# KiCad board 2000ATX.kicad_pcb (continued)
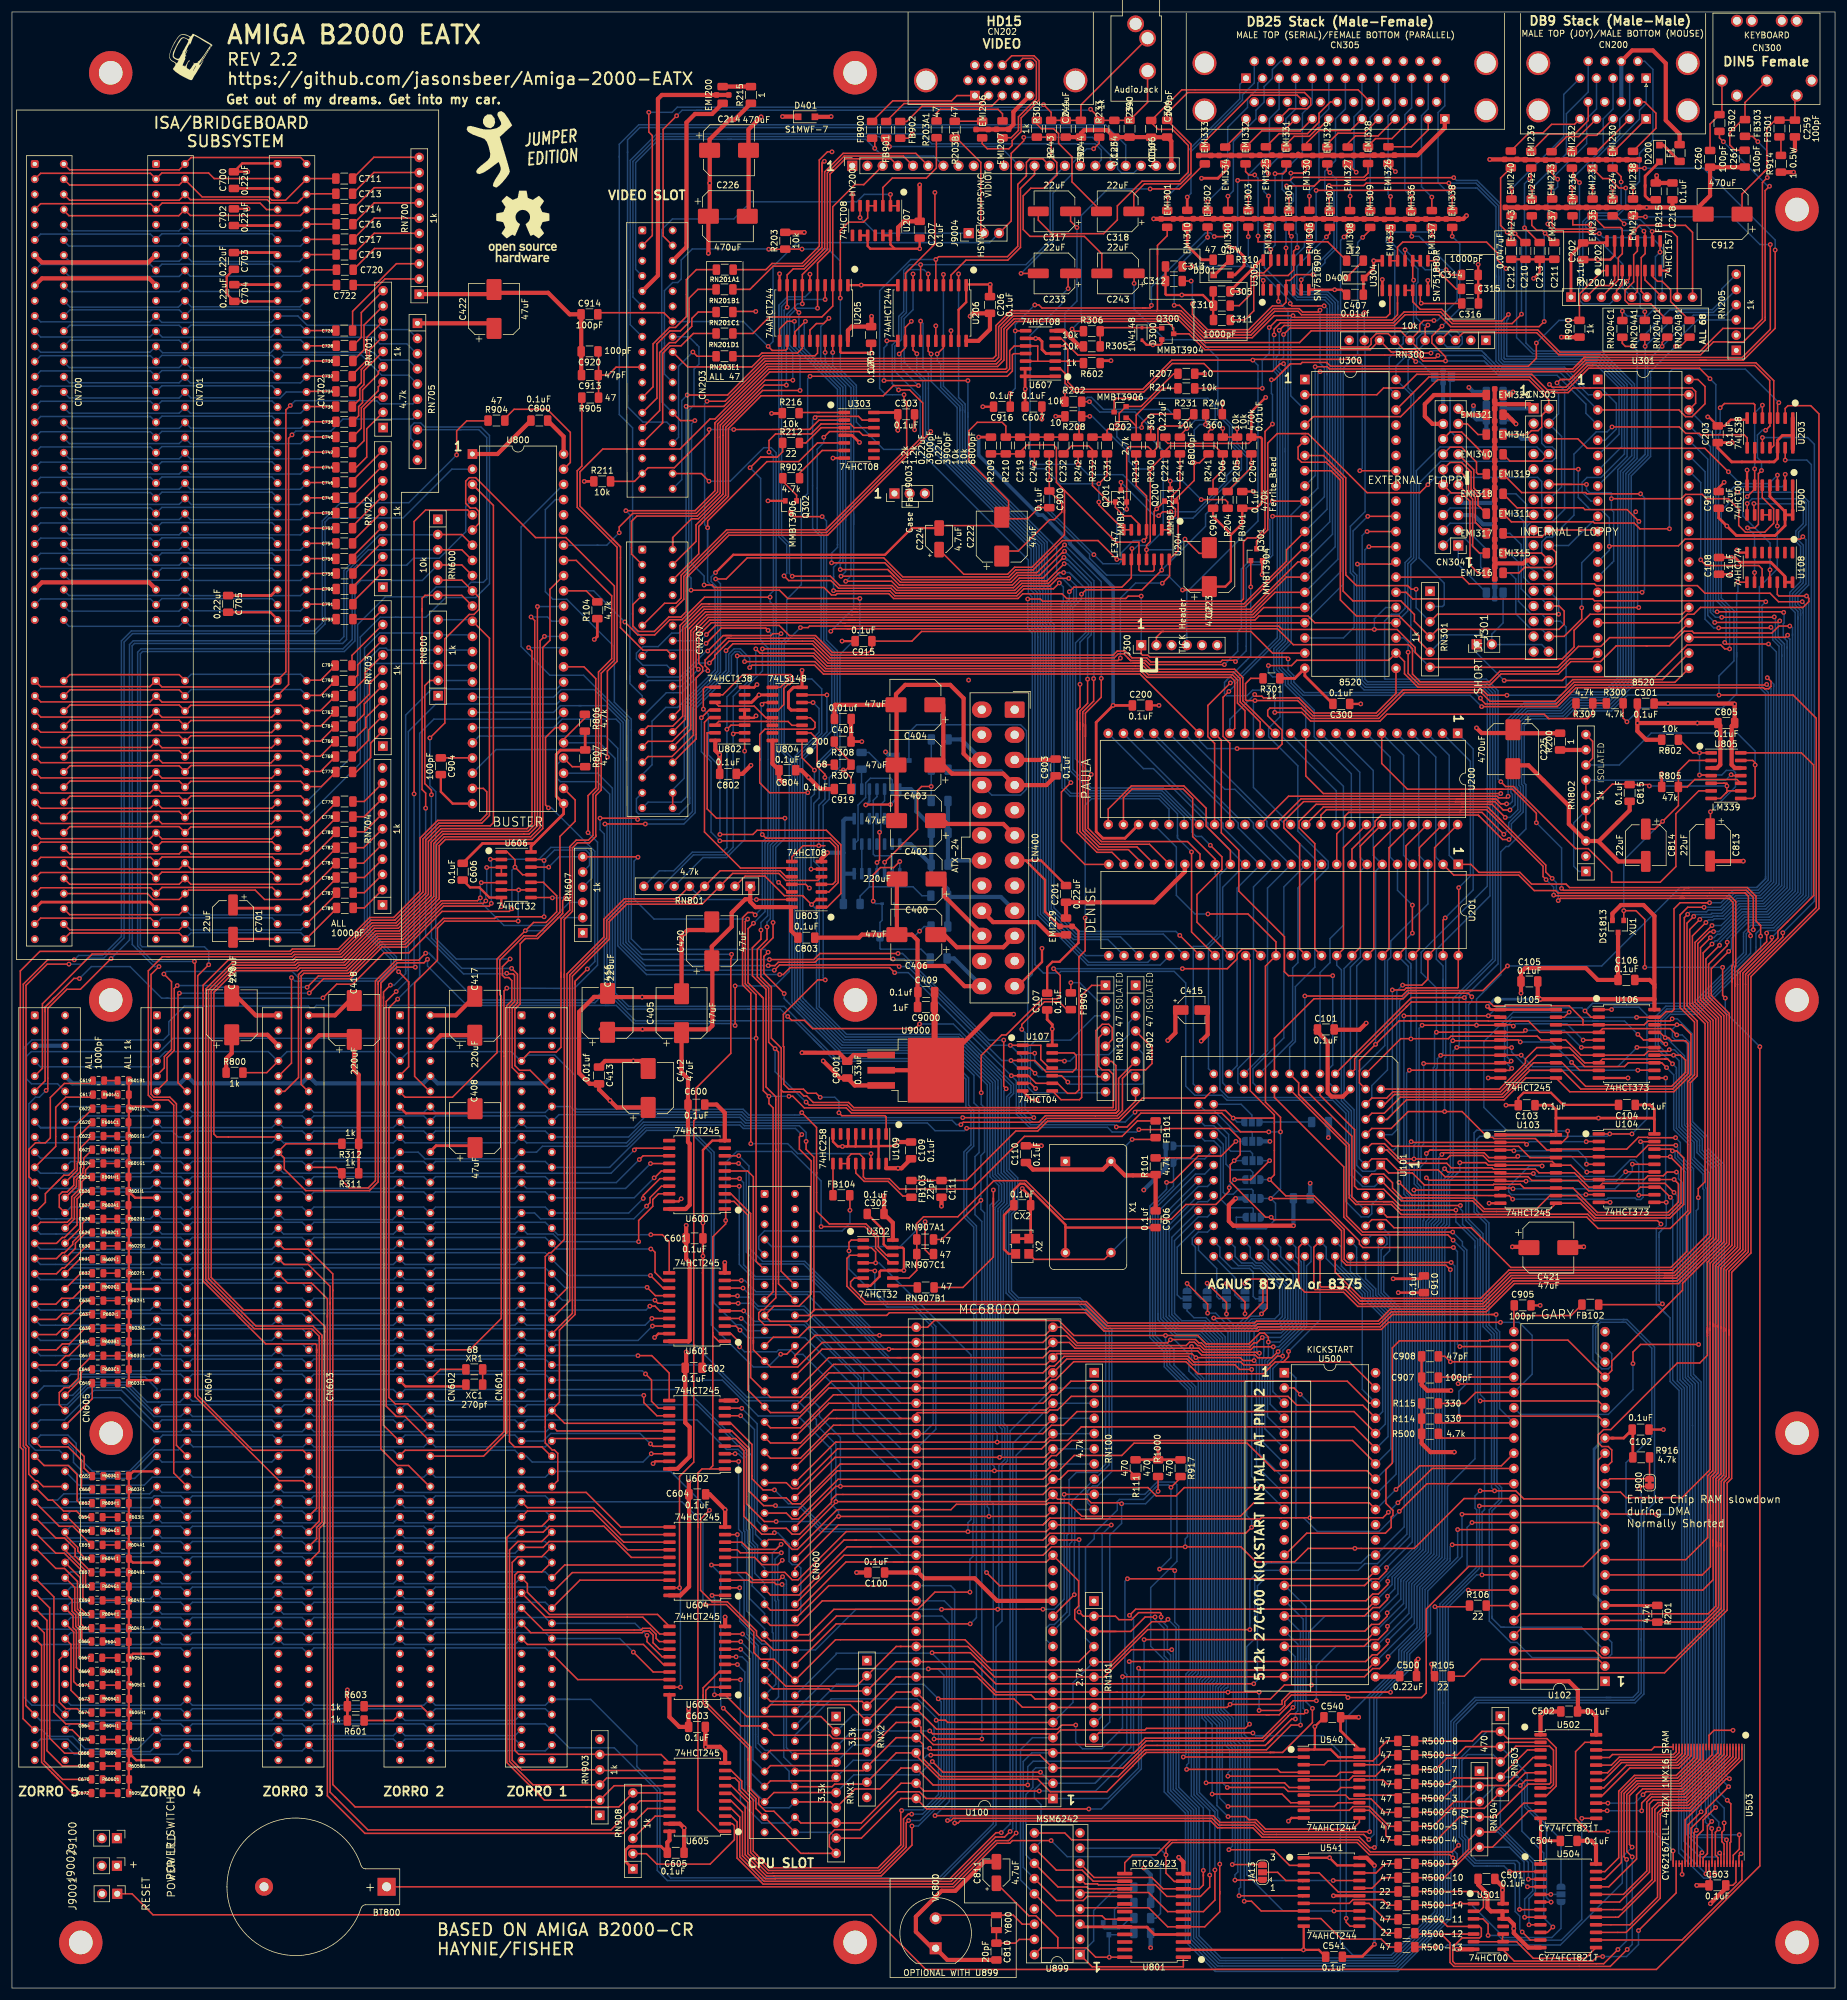
[diagram p0: board, top side]
## Routing (per net, layer and track width the routed paths; a pad name or vN(x,y) marks a point on that pad's centre or on a via; arc(x,y) is an arc through that point) (continued)
BA6: length 136.9
  Top w0.25: v1(106.76,137.77) 109.85,137.77 U600.14 ; CN605.23 2.83,135.57 2.83,140.15 3.92,141.23 5.6,141.23 6.41,142.05 6.41,148.81 8.76,151.15 13.05,151.15 C619.2
  Bottom w0.25: v1(106.76,137.77) 102.6,133.61 86.04,133.61 85.06,134.59 84.08,133.61 65.72,133.61 64.74,134.59 63.76,133.61 45.4,133.61 44.42,134.59 43.44,133.61 25.08,133.61 24.1,134.59 23.12,133.61 4.76,133.61 3.78,134.59
BA7: length 123
  Top w0.25: CN605.28 7.91,130.49 7.91,132.53 8.42,133.03 9.23,133.03 10.33,134.13 10.33,135.31 11.39,136.37 11.39,137.05 11.55,137.21 11.55,140.49 C623.2 ; U600.16 108.33,135.26 105.54,132.47 v1(105.54,131.95)
  Bottom w0.25: 8.86,129.51 9.84,130.49 28.2,130.49 29.18,129.51 30.16,130.49 48.52,130.49 49.5,129.51 50.48,130.49 68.84,130.49 69.82,129.51 70.8,130.49 89.16,130.49 90.14,129.51 103.11,129.51 v1(105.54,131.95)
BA8: length 121.7
  Top w0.25: v1(106.81,125.88) 108.74,125.88 109.88,124.74 U601.11 ; C625.2 12.45,135.51 11.68,134.75 11.68,133.29 10.43,132.03 10.43,128.51 CN605.30
  Bottom w0.25: v1(106.81,125.88) 91.24,125.88 89.16,127.95 70.8,127.95 69.82,126.97 68.84,127.95 50.48,127.95 49.5,126.97 48.52,127.95 30.16,127.95 29.18,126.97 28.2,127.95 9.84,127.95 8.86,126.97 ; 9.12,126.75 CN605.30
BA9: length 117.8
  Top w0.25: v1(106.81,123.49) 106.96,123.49 107.52,122.94 107.52,119.57 108.85,118.24 U601.12 ; CN605.32 11.33,126.87 11.33,130.01 12.13,130.81 C627.2
  Bottom w0.25: v1(106.81,123.49) 91.08,123.49 89.16,125.41 70.8,125.41 69.82,124.43 68.84,125.41 50.48,125.41 49.5,124.43 48.52,125.41 30.16,125.41 29.18,124.43 28.2,125.41 9.84,125.41 8.86,124.43 ; 8.92,124.46 CN605.32
BA10: length 113.5
  Top w0.25: v1(106.75,119.07) 108.85,116.97 U601.13 ; CN605.34 10.6,123.61 10.6,124.46 12.38,126.24 C629.2
  Bottom w0.25: v1(106.75,119.07) 92.97,119.07 89.16,122.87 70.8,122.87 69.82,121.89 68.84,122.87 50.48,122.87 49.5,121.89 48.52,122.87 30.16,122.87 29.18,121.89 28.2,122.87 9.84,122.87 8.86,121.89 ; 9.17,122.17 CN605.34
BA11: length 112.1
  Top w0.25: v1(106.19,117.08) 107.57,115.7 U601.14 ; CN605.36 11.33,121.79 C631.2
  Bottom w0.25: v1(106.19,117.08) 92.42,117.08 89.16,120.33 70.8,120.33 69.82,119.35 68.84,120.33 50.48,120.33 49.5,119.35 48.52,120.33 30.16,120.33 29.18,119.35 28.2,120.33 9.84,120.33 8.86,119.35 ; 9.42,119.89 CN605.36
BA12: length 110.9
  Top w0.25: v1(107.49,114.94) 108,114.43 U601.15 ; CN605.38 11.52,119.44 C632.2
  Bottom w0.25: v1(107.49,114.94) 92.02,114.94 89.16,117.79 70.8,117.79 69.82,116.81 68.84,117.79 50.48,117.79 49.5,116.81 48.52,117.79 30.16,117.79 29.18,116.81 28.2,117.79 9.84,117.79 8.86,116.81
BA13: length 121.1
  Top w0.25: v1(106.65,113.94) 107.52,113.94 108.31,113.16 109.88,113.16 ; CN605.39 7.34,114.27 8.32,115.25 10.16,115.25 12.07,117.16 C633.2
  Bottom w0.25: v1(106.65,113.94) 106,113.29 86.04,113.29 85.06,114.27 84.08,113.29 65.72,113.29 64.74,114.27 63.76,113.29 45.4,113.29 44.42,114.27 43.44,113.29 25.08,113.29 24.1,114.27 23.12,113.29 4.76,113.29 3.78,114.27
BA14: length 121.1
  Top w0.25: U601.17 v1(106.98,111.89) ; CN605.41 7.44,111.73 8.42,112.71 9.97,112.71 12.13,114.87 C635.2
  Bottom w0.25: v1(106.98,111.89) 105.85,110.75 86.04,110.75 85.06,111.73 84.08,110.75 65.72,110.75 64.74,111.73 63.76,110.75 45.4,110.75 44.42,111.73 43.44,110.75 25.08,110.75 24.1,111.73 23.12,110.75 4.76,110.75 3.78,111.73
BA15: length 121.8
  Top w0.25: v1(107.09,110.62) U601.18 ; CN605.43 7.44,109.19 8.42,110.17 9.4,110.17 11.81,112.59 C637.2
  Bottom w0.25: v1(107.09,110.62) 104.68,108.21 86.04,108.21 85.06,109.19 84.08,108.21 65.72,108.21 64.74,109.19 63.76,108.21 45.4,108.21 44.42,109.19 43.44,108.21 25.08,108.21 24.1,109.19 23.12,108.21 4.76,108.21 3.78,109.19
BA16: length 126.6
  Top w0.25: v1(104.66,105.67) 106.97,105.67 109.88,102.77 109.88,98.17 ; CN605.45 7.44,106.65 8.42,107.63 9.59,107.63 12.19,110.24 C639.2
  Bottom w0.25: 3.78,106.65 4.76,105.67 23.12,105.67 24.1,106.65 25.08,105.67 43.44,105.67 44.42,106.65 45.4,105.67 63.76,105.67 64.74,106.65 65.72,105.67 84.08,105.67 85.06,106.65 86.04,105.67 v1(104.66,105.67)
BA17: length 125.5
  Top w0.25: U602.12 108.08,96.9 106.93,98.04 106.93,101.6 v1(105.92,102.62) ; CN605.47 7.44,104.11 9,105.67 9.54,105.67 11.87,108.01 C641.2
  Bottom w0.25: 85.06,104.11 84.08,103.13 65.72,103.13 64.74,104.11 63.76,103.13 45.4,103.13 44.42,104.11 43.44,103.13 25.08,103.13 24.1,104.11 23.12,103.13 4.76,103.13 3.78,104.11 ; v1(105.92,102.62) 105.4,103.13 86.17,103.13 CN601.47
BA18: length 115.4
  Top w0.25: CN605.52 11.56,101.7 11.56,102.81 12.13,103.38 C645.2 ; v1(105.64,99.03) 105.64,97.82 107.82,95.63 U602.13
  Bottom w0.25: 90.14,99.03 89.16,98.05 70.8,98.05 69.82,99.03 68.84,98.05 50.48,98.05 49.5,99.03 48.52,98.05 30.16,98.05 29.18,99.03 28.07,97.92 22.62,97.92 19.32,101.23 12.33,101.23 10.13,99.03 CN605.52 9.21,99.03 ; CN601.52 v1(105.64,99.03)
BA19: length 244.7
  Top w0.25: 90.14,96.49 91.53,97.88 91.53,109.94 94.15,112.56 94.15,114 94.15,167.72 ; v1(89.69,197.21) 89.2,197.69 89.2,208.96 90.86,210.62 U800.30 ; 109.88,94.36 92.41,94.36 CN601.54 ; 94.15,167.72 94.15,168.04 ; 94.15,167.72 94.15,168.24 v1(96.19,170.28) ; CN605.54 7.91,97.47 7.91,99.51 8.73,100.33 9.55,100.33 11.11,101.89 11.11,103.36 C647.2
  Bottom w0.25: 8.86,96.49 8.99,96.49 ; 95.83,191.56 90.19,197.21 v1(89.69,197.21) ; 95.83,191.56 96.34,191.05 ; 95.83,191.56 97.45,189.94 97.45,171.54 v1(96.19,170.28) ; CN601.54 89.29,95.51 70.8,95.51 69.82,96.49 68.84,95.51 50.48,95.51 49.5,96.49 48.52,95.51 30.16,95.51 29.18,96.49 28.2,95.51 23.76,95.51 18.95,100.33 12.73,100.33 CN605.54
BA20: length 266.2
  Top w0.25: v1(64.49,165.25) 63.02,163.78 63.02,98.67 64.09,97.6 66.17,97.6 69.82,93.95 ; CN601.56 91.14,93.09 U602.15 ; CN605.56 13.41,98.48 C649.2
  Bottom w0.25: 8.86,94.41 8.86,93.95 ; U800.31 91.1,212.03 70.53,212.03 68.16,209.67 68.16,170.01 ; 68.16,170.01 68.16,168.92 v1(64.49,165.25) ; 68.16,170.01 68.16,169.13 ; CN601.56 89.29,92.97 70.8,92.97 69.82,93.95 68.84,92.97 50.48,92.97 49.5,93.95 48.52,92.97 30.16,92.97 29.18,93.95 28.2,92.97 23.76,92.97 18.09,98.65 13.58,98.65 CN605.56
BA21: length 270.3
  Top w0.25: v1(64.24,166.52) 62.57,164.85 62.57,97.22 64.27,95.51 65.72,95.51 69.82,91.41 ; U602.16 90.68,91.82 CN601.58 ; C651.2 12.07,86.88 12.07,88.82 9.48,91.41 CN605.58
  Bottom w0.25: 90.14,91.41 89.16,90.43 70.8,90.43 69.82,91.41 68.84,90.43 50.48,90.43 49.5,91.41 ; 66.27,170.08 66.27,170.55 ; 66.27,170.08 66.27,168.55 v1(64.24,166.52) ; 66.27,170.08 66.27,209.96 70.88,214.57 91.1,214.57 U800.32 ; CN603.58 48.65,90.43 30.29,90.43 CN604.58 27.81,89.92 23.82,89.92 19.82,85.92 12.19,85.92 10.29,87.82 10.29,90.02 CN605.58
BA22: length 285.7
  Top w0.25: 62.12,165.42 62.12,94.04 64.74,91.41 ; 62.12,165.42 62.12,165.72 ; 62.12,165.42 62.12,166.44 v1(63.27,167.59) ; U602.17 109.85,90.53 107.16,90.53 v1(106.76,90.93) ; CN605.57 4.79,90.43 9.39,90.43 11.43,88.39 ; C650.2 11.94,83.31 11.62,83.63 11.62,88.2 11.43,88.39 ; 11.43,88.39 11.3,88.52
  Bottom w0.25: U800.33 91.07,217.08 70.19,217.08 65.82,212.71 65.82,170.01 ; 85.06,91.41 84.08,92.39 65.72,92.39 64.74,91.41 63.76,92.39 45.4,92.39 44.42,91.41 ; v1(63.27,167.59) 63.92,167.59 65.82,169.49 65.82,170.01 ; CN605.57 4.79,92.39 9.36,92.39 10.74,91.02 10.74,89.08 13.46,86.37 19.64,86.37 24.23,90.96 CN604.57 25.21,92.39 43.57,92.39 CN603.57 ; 65.82,170.01 65.82,169.77 ; CN601.57 88.82,91.41 90.08,92.67 105.02,92.67 v1(106.76,90.93)
BA23: length 293.7
  Top w0.25: v1(82.73,167.08) 82.27,166.62 82.27,156.28 82.28,156.27 82.28,155.71 ; 82.28,155.71 82.28,155.71 ; 82.28,155.71 82.28,92.97 79.16,89.85 65.72,89.85 64.74,88.87 ; U602.18 v1(106.88,89.28) ; U800.34 95.63,220.78 97.61,218.8 97.61,200.55 96.32,199.25 v1(96.32,193.07) ; C652.2 11.3,81.03 10.89,81.44 10.89,85.82 9.4,87.31 5.37,87.31 CN605.59
  Bottom w0.25: v1(106.88,89.28) 105.5,87.89 86.97,87.89 85.99,88.87 85.06,88.87 84.08,89.85 65.72,89.85 64.74,88.87 63.76,89.85 45.4,89.85 43.44,87.89 25.08,87.89 24.1,88.87 ; 96.29,193.09 v1(96.32,193.07) 97.9,191.48 97.9,170.92 94.02,167.04 92.6,167.04 v1(82.73,167.08) ; CN605.59 5.37,87.31 9.52,87.31 11.68,85.15 20.51,85.15 CN604.59
BD0: length 144.5
  Top w0.25: CN601.75 86.17,67.57 86.17,66.12 89.87,62.43 107.93,62.43 U603.11 ; C664.2 12.13,43.81 11.81,44.13 9,44.13 7.01,46.12 7.01,65.35 CN605.75
  Bottom w0.25: 85.06,68.55 84.08,67.57 65.72,67.57 64.74,68.55 63.76,67.57 45.4,67.57 44.42,68.55 43.44,67.57 25.08,67.57 24.1,68.55 23.12,67.57 4.76,67.57 3.78,68.55
BD1: length 145.5
  Top w0.25: 13.23,39.18 C666.2 8.81,39.24 6.3,41.75 6.3,63.52 CN605.77 ; U603.12 108.29,59.16 105.47,61.98 89.23,61.98 CN601.77
  Bottom w0.25: 85.06,66.01 84.08,65.03 65.72,65.03 64.74,66.01 63.76,65.03 45.4,65.03 44.42,66.01 43.44,65.03 25.08,65.03 24.1,66.01 23.12,65.03 4.76,65.03 3.78,66.01
BD2: length 145.4
  Top w0.25: U603.13 108.23,57.89 107.7,58.42 107.7,59.11 106.71,60.1 105.44,60.1 105.16,59.82 88.84,59.82 CN601.79 ; C668.2 8.43,37.08 5.85,39.66 5.85,61.43 CN605.79
  Bottom w0.25: 85.06,63.47 84.08,62.49 65.72,62.49 64.74,63.47 63.76,62.49 45.4,62.49 44.42,63.47 43.44,62.49 25.08,62.49 24.1,63.47 23.12,62.49 4.76,62.49 3.78,63.47
BD3: length 144.9
  Top w0.25: U603.14 108.27,56.62 107.19,57.7 107.19,58.99 106.52,59.65 105.63,59.65 105.35,59.37 86.75,59.37 CN601.81 ; CN605.81 5.4,59.34 5.4,37.91 8.45,34.86 C670.2
  Bottom w0.25: 3.78,60.93 4.76,59.95 23.12,59.95 24.1,60.93 25.08,59.95 43.44,59.95 44.42,60.93 45.4,59.95 63.76,59.95 64.74,60.93 65.72,59.95 84.08,59.95 85.06,60.93
BD4: length 144.1
  Top w0.25: 6.7,35.97 4.95,37.72 4.95,57.25 CN605.83 ; 6.7,35.97 10.1,32.58 C672.2 ; 6.7,35.97 7.68,34.99 ; CN601.83 86.17,57.41 105.57,57.41 108.9,54.08 U603.16
  Bottom w0.25: 85.06,58.39 84.08,57.41 65.72,57.41 64.74,58.39 63.76,57.41 45.4,57.41 44.42,58.39 43.44,57.41 25.08,57.41 24.1,58.39 23.12,57.41 4.76,57.41 3.78,58.39
BD5: length 120.6
  Top w0.25: C674.2 11.56,46.04 10.92,46.67 9,46.67 7.91,47.76 7.91,54.87 CN605.86 ; U603.18 94.59,51.54 CN601.86
  Bottom w0.25: 8.86,55.85 9.84,56.83 28.2,56.83 29.18,55.85 30.16,56.83 48.52,56.83 49.5,55.85 50.48,56.83 68.84,56.83 69.82,55.85 70.8,56.83 89.16,56.83 90.14,55.85
BD6: length 119.7
  Top w0.25: CN605.84 9.87,57.41 9.87,49.75 11.42,48.2 13.16,48.2 C673.2 ; U603.17 107.21,52.81 v1(103.89,56.13)
  Bottom w0.25: 8.86,58.39 9.84,59.37 28.2,59.37 29.18,58.39 30.16,59.37 48.52,59.37 49.5,58.39 50.48,59.37 68.84,59.37 69.82,58.39 70.8,59.37 89.16,59.37 90.14,58.39 ; CN601.84 101.63,58.39 v1(103.89,56.13)
BD7: length 120.6
  Top w0.25: C671.2 10.92,50.61 10.32,51.21 10.32,59.5 CN605.82 ; U603.15 108.71,55.35 106.17,57.88 v1(106.17,58.93)
  Bottom w0.25: 8.86,60.93 9.84,61.91 28.2,61.91 29.18,60.93 30.16,61.91 48.52,61.91 49.5,60.93 50.48,61.91 68.84,61.91 69.82,60.93 70.8,61.91 89.16,61.91 90.14,60.93 ; v1(106.17,58.93) 104.17,60.93 CN601.82
BD8: length 119.6
  Top w0.25: C669.2 11.43,52.9 10.77,53.56 10.77,59.69 10.21,60.25 10.21,62.15 CN605.80 ; U604.18 94.95,68.15 CN601.80
  Bottom w0.25: 8.86,63.47 9.84,64.45 28.2,64.45 29.18,63.47 30.16,64.45 48.52,64.45 49.5,63.47 50.48,64.45 68.84,64.45 69.82,63.47 70.8,64.45 89.16,64.45 90.14,63.47
BD9: length 119.2
  Top w0.25: CN601.78 93.68,69.42 U604.17 ; CN605.78 10.05,64.85 10.05,62.95 10.66,62.34 10.66,60.44 11.22,59.88 11.22,55.52 11.56,55.18 C667.2
  Bottom w0.25: 8.86,66.01 9.84,66.99 28.2,66.99 29.18,66.01 30.16,66.99 48.52,66.99 49.5,66.01 50.48,66.99 68.84,66.99 69.82,66.01 70.8,66.99 89.16,66.99 90.14,66.01
BD10: length 118.2
  Top w0.25: CN601.76 92.41,70.69 U604.16 ; CN605.76 10.5,66.94 10.5,63.13 11.11,62.53 11.11,60.62 11.67,60.06 11.67,58.41 12.16,57.91 C665.2
  Bottom w0.25: 8.86,68.55 9.84,69.53 28.2,69.53 29.18,68.55 30.16,69.53 48.52,69.53 49.5,68.55 50.48,69.53 68.84,69.53 69.82,68.55 70.8,69.53 89.16,69.53 90.14,68.55
BD11: length 129.7
  Top w0.25: CN605.71 7.33,70.11 8.78,70.11 10.95,67.94 10.95,63.32 11.56,62.71 11.56,60.81 12.24,60.13 C661.2 ; CN601.71 88.82,73.63 89.8,74.61 100.9,74.61 103.56,71.96 U604.15
  Bottom w0.25: 85.06,73.63 84.08,72.65 65.72,72.65 64.74,73.63 63.76,72.65 45.4,72.65 44.42,73.63 43.44,72.65 25.08,72.65 24.1,73.63 23.12,72.65 4.76,72.65 3.78,73.63
BD12: length 128
  Top w0.25: C659.2 12.36,64.77 11.85,65.28 11.85,69.55 8.75,72.65 7.33,72.65 CN605.69 ; U604.14 102.92,73.23 99,77.15 89.8,77.15 88.82,76.17 CN601.69
  Bottom w0.25: 85.06,76.17 84.08,75.19 65.72,75.19 64.74,76.17 63.76,75.19 45.4,75.19 44.42,76.17 43.44,75.19 25.08,75.19 24.1,76.17 23.12,75.19 4.76,75.19 3.78,76.17
BD13: length 125.8
  Top w0.25: C657.2 10.55,72.2 10.55,73.42 8.78,75.19 7.33,75.19 CN605.67 ; U604.13 102.29,74.5 97.09,79.69 86.17,79.69 CN601.67
  Bottom w0.25: 85.06,78.71 84.08,77.73 65.72,77.73 64.74,78.71 63.76,77.73 45.4,77.73 44.42,78.71 43.44,77.73 25.08,77.73 24.1,78.71 23.12,77.73 4.76,77.73 3.78,78.71
BD14: length 124
  Top w0.25: CN605.65 7.91,77.15 10.17,77.15 C655.2 ; U604.12 101.78,75.77 97.27,80.27 86.17,80.27 CN601.65
  Bottom w0.25: 85.06,81.25 84.08,80.27 65.72,80.27 64.74,81.25 63.76,80.27 45.4,80.27 44.42,81.25 43.44,80.27 25.08,80.27 24.1,81.25 23.12,80.27 4.76,80.27 3.78,81.25
BD15: length 124.8
  Top w0.25: U604.11 101.78,77.04 96,82.81 86.17,82.81 CN601.63 ; C654.2 11.81,78.68 10.79,79.69 8.63,79.69 6.79,81.53 6.07,81.53 CN605.63
  Bottom w0.25: 85.06,83.79 84.08,82.81 65.72,82.81 64.74,83.79 63.76,82.81 45.4,82.81 44.42,83.79 43.44,82.81 25.08,82.81 24.1,83.79 ; CN604.63 23.02,82.59 8.67,82.59 7.62,81.53 6.07,81.53 CN605.63
BFC0: length 256.1
  Top w0.25: 96.13,30.27 95.91,30.27 ; 96.13,30.27 101.47,30.27 RN908.6 109.85,32.61 U605.15 ; 96.13,30.27 57.37,30.27 53.63,34 53.63,116.51 ; 53.63,116.51 53.63,119.34 49.52,123.45 45.53,123.45 CN603.31 ; 53.63,116.51 53.63,116.67 ; C626.2 12.19,133.16 10.88,131.85 10.88,127.51 8.78,125.41 8.42,125.41 7.44,124.43 CN605.31
  Bottom w0.25: 3.78,124.43 4.76,123.45 23.12,123.45 24.1,124.43 25.08,123.45 43.44,123.45 44.42,124.43 45.4,123.45 63.76,123.45 64.74,124.43 65.72,123.45 84.08,123.45 85.06,124.43
BFC1: length 255.1
  Top w0.25: U605.16 105,31.27 RN908.5 100.15,26.42 59.51,26.42 53.98,31.95 ; 53.18,114.31 53.18,117.25 49.52,120.91 45.53,120.91 CN603.33 ; 53.18,114.31 53.18,114.58 ; 53.18,114.31 53.18,32.74 53.98,31.95 ; 53.98,31.95 54.28,31.65 ; C628.2 12.51,128.52 11.78,127.79 11.78,126.27 10.15,124.65 10.15,124.25 8.78,122.87 8.42,122.87 7.44,121.89 CN605.33
  Bottom w0.25: 3.78,121.89 4.76,120.91 23.12,120.91 24.1,121.89 25.08,120.91 43.44,120.91 44.42,121.89 45.4,120.91 63.76,120.91 64.74,121.89 65.72,120.91 84.08,120.91 85.06,121.89
BFC2: length 250.9
  Top w0.25: U605.17 106.27,30 RN908.4 102.12,25.84 59.01,25.84 52.73,32.12 52.73,112.13 ; C630.2 12.46,124.02 8.78,120.33 8.42,120.33 7.44,119.35 CN605.35 ; 52.73,112.49 52.73,112.13 ; 52.73,112.13 52.73,115.16 50.1,117.79 46.11,117.79 CN603.35
  Bottom w0.25: 85.06,119.35 84.08,118.37 65.72,118.37 64.74,119.35 63.76,118.37 45.4,118.37 44.42,119.35 43.44,118.37 25.08,118.37 24.1,119.35 23.12,118.37 4.76,118.37 3.78,119.35
C1: length 376.4
  Top w0.25: 199.9,179.48 v1(199.95,179.48) 206.65,179.48 211.33,174.8 U201.36 209.57,170.76 209.57,148.03 212.09,145.51 v1(212.09,143.07) ; 210.19,143.07 v1(210.12,143.07) 205.4,143.07 202.28,146.19 201.18,146.19 ; 173.92,156.26 177.53,156.26 177.94,155.85 177.94,153.71 177.33,153.1 172.9,153.1 171.01,154.99 U107.3 v1(167.03,154.99) ; v1(184.64,143.89) 186.43,143.89 188.73,146.19 201.18,146.19 ; v1(240.62,121.24) 223.28,121.24 222.74,121.78 222.74,126.74 217.55,131.92 211.68,131.92 v1(210.45,131.94) ; 201.18,146.19 201.62,146.19 ; C907.1 238.57,102.09 v1(241.21,102.09) 251.07,102.09 U102.28 ; v1(148.34,170.69) 148.07,170.96 128.34,170.96 v1(127.46,170.08)
  Bottom w0.25: 94.91,212.03 101,212.03 101.73,211.29 101.73,174.35 106.01,170.08 v1(127.46,170.08) ; 94.91,212.03 91.98,212.03 90.56,210.62 U800.19 ; 94.91,212.03 95.06,212.03 ; JA6.1 204.71,128.79 204.71,127.02 204.85,126.87 209.68,126.87 211.25,128.45 211.25,131.14 v1(210.45,131.94) ; 150.08,170.4 149.87,170.6 ; 150.08,170.4 165.48,154.99 v1(167.03,154.99) 168.36,153.66 168.36,146.21 170.31,144.27 184.26,144.27 v1(184.64,143.89) ; 150.08,170.4 149.78,170.69 v1(148.34,170.69) ; v1(210.45,131.94) 212.09,133.57 v1(212.09,143.07) v1(210.12,143.07) ; v1(210.45,131.94) JA5.3 ; v1(240.62,121.24) 241.21,120.65 v1(241.21,102.09) ; v1(199.95,179.48) 197.78,179.48 194.67,182.58 194.67,190.64 U200.28
  Bottom w0.7: 208.82,131.97 JA5.3
C3: length 345.2
  Top w0.25: v1(128.36,169.35) 128.95,169.35 130.1,170.51 146.74,170.51 v1(147.57,169.67) ; v1(167.08,152.45) U107.5 169.95,152.45 171.22,151.18 174.8,151.18 176.48,149.5 177.8,149.5 178.39,150.09 178.39,172.29 179.43,173.33 v1(179.43,178.82) ; U102.27 251.05,104.65 v1(240.49,104.65) 239.57,105.56 C908.1 ; v1(188.4,143.45) 192.66,143.45 192.84,143.63 203.54,143.63 205.35,141.83 205.35,139.25 v1(204.35,138.25) 203.68,137.58 203.68,134.74 209.63,128.79 v1(210.53,128.79) 210.93,128.39 220.45,128.39 222.29,126.55 222.29,121.59 223.09,120.79 239.74,120.79 v1(240.49,120.04)
  Bottom w0.25: 94.98,209.2 99.23,209.2 101.28,207.15 101.28,174.17 106.1,169.35 v1(128.36,169.35) ; 94.98,209.2 78.11,209.2 U800.20 ; 94.98,209.2 95.37,209.2 ; JA3.1 v1(204.35,138.25) ; v1(188.4,143.45) 188,143.04 183.95,143.04 183.17,143.82 170.12,143.82 167.91,146.02 167.91,151.62 v1(167.08,152.45) 149.86,169.67 v1(147.57,169.67) ; v1(240.49,120.04) v1(240.49,104.65) ; v1(179.43,178.82) 179.43,197.66 180.49,198.73 191.72,198.73 193.45,197 U200.29 ; JA6.3 v1(210.53,128.79)
D0: length 520.9
  Top w0.25: v1(122.15,59.16) U603.9 ; U899.14 174.61,12.08 182.23,12.08 182.81,11.5 U801.19 ; v1(262.99,163.27) 264.03,162.23 U106.2 ; v1(232.72,162.46) v1(246.84,162.46) 248.61,162.46 U105.2 ; v1(153.44,42.96) 153.93,42.47 173.41,42.47 U100.5 175.32,43.11 189.41,43.11 189.68,43.39 206.2,43.39 v1(206.91,44.09) ; CN600.75 126.81,39.7 137.21,39.7 RNX1.3 137.38,40.7
  In1.Cu w0.25: U300.33 232.77,252.38 253.65,252.38 253.89,252.62 264.38,252.62 264.88,252.13 284.67,252.13 286.81,249.99 v1(288.49,249.99)
  Bottom w0.25: v1(153.44,42.96) 143.97,42.96 143.8,43.14 140.65,43.14 RNX1.3 ; 233.22,131.57 233.22,75.85 228.29,70.92 226.19,70.92 225.06,69.8 U500.14 ; 233.22,131.57 233.22,132.18 232.72,132.68 v1(232.72,162.46) ; 233.22,131.57 233.22,131.47 ; CN600.75 124.33,40.23 124.33,57 122.17,59.16 ; 299.49,229.79 299.49,230.02 ; 299.49,229.79 299.49,230.4 298.59,231.3 298.59,232.65 300.39,234.45 300.39,248.4 300.36,248.4 298.82,249.95 288.46,249.95 ; 299.49,229.79 299.49,182.73 294.35,177.6 290.75,177.6 289.5,176.35 289.5,172.99 281.06,164.54 264.26,164.54 v1(262.99,163.27) ; U100.5 170.61,41.83 168.62,39.84 168.62,18.07 U899.14 ; v1(262.99,163.27) 262.47,163.79 248.17,163.79 v1(246.84,162.46) ; v1(262.99,163.27) 264.07,164.35 ; v1(206.91,44.09) 206.44,44.56 206.44,57.04 207.77,58.37 207.77,68.34 209.23,69.8 212.8,69.8
D1: length 479.4
  Top w0.25: v1(230.02,67.97) 230.02,67.4 228.46,65.84 227.5,65.84 226.38,64.72 212.8,64.72 ; CN600.77 126.81,37.16 137.21,37.16 RNX1.4 137.38,38.16 ; v1(216.41,46.23) 216.01,45.83 213.75,45.83 213.38,45.46 213.38,45.44 210.36,42.42 ; 210.36,42.42 209.4,41.46 ; 210.36,42.42 210.34,42.42 209.22,41.3 206.91,41.3 ; v1(262.69,158.39) 265.28,158.39 U106.5 ; U899.13 174.61,14.62 179.1,14.62 179.79,15.31 U801.16 ; v1(235.76,160.88) 248.77,160.88 U105.3 250.77,160.96 v1(251,160.73) ; 206.91,41.3 207.54,41.3 ; 206.91,41.3 189.63,41.3 187.63,39.29 U100.4 173.55,39.78 154.23,39.79 153.7,39.79 v1(153.43,40.06) ; v1(121.84,57.89) U603.8
  In1.Cu w0.25: v1(271.48,246.68) 268.57,249.59 264.87,249.59 264.43,250.03 232.96,250.03 U300.32
  Bottom w0.25: v1(251,160.73) 251.4,161.13 259.95,161.13 v1(262.69,158.39) ; 246.33,166.73 246.57,166.97 ; 246.33,166.73 248.91,169.3 248.91,189.85 249.81,190.75 250.2,190.75 253.11,193.67 253.11,201.07 252.84,201.34 252.84,210.96 253.96,212.09 259.53,212.09 261.3,213.86 267.26,213.86 271.18,217.78 271.18,246.39 v1(271.48,246.68) ; 246.33,166.73 244.86,165.25 v1(244.86,160.88) ; CN600.77 123.88,38.14 123.88,55.85 v1(121.84,57.89) ; 212.8,64.72 215.88,61.64 215.88,46.76 v1(216.41,46.23) ; U100.4 170.52,39.29 169.07,37.85 169.07,20.16 U899.13 ; v1(230.02,67.97) 230.02,68.6 235.02,73.6 235.02,129.47 235.02,130.14 235.15,130.28 235.15,133.65 234.44,134.37 234.44,137.41 235.15,138.13 235.15,138.7 235.15,138.71 235.15,140.93 235.25,141.04 235.25,160.38 v1(235.76,160.88) ; RNX1.4 140.65,40.6 144.25,40.6 144.43,40.42 152.11,40.42 152.47,40.06 v1(153.43,40.06)
D2: length 444.1
  Top w0.25: v1(229.92,62.69) 229.92,62.12 228.56,60.76 227.31,60.76 226.19,59.64 212.8,59.64 ; U899.12 174.89,16.88 179.7,16.88 180,16.58 U801.15 ; v1(153.61,38.91) 171.88,38.91 U100.3 185.72,36.75 189.51,40.54 209.55,40.54 210.36,41.35 ; 210.36,41.35 213.97,44.96 v1(214.58,44.96) ; 210.36,41.35 210.62,41.61 ; v1(121.83,56.6) U603.7 ; v1(253.03,160.02) 252.7,159.69 U105.4 248.82,159.72 v1(238.15,159.72) ; CN600.79 126.81,34.62 137.21,34.62 RNX1.5 137.38,35.62 ; v1(262.38,157.18) 265.28,157.18 U106.6 ; 210.62,41.61 209.95,40.93 210.62,41.61 ; v1(226.67,245.92) U300.31
  Bottom w0.25: 121.82,56.62 v1(121.83,56.6) 123.42,55.02 123.42,36.05 CN600.79 ; v1(262.38,157.18) 259.54,160.02 v1(253.03,160.02) ; 212.8,59.64 214.98,57.46 214.98,46.32 214.58,45.92 v1(214.58,44.96) ; v1(153.61,38.91) 153.01,38.91 152.15,38.06 140.65,38.06 RNX1.5 ; U899.12 169.52,22.25 169.52,32.36 170.69,33.53 170.69,36.32 171.16,36.79 174,36.79 U100.3 ; v1(229.92,62.69) 232.21,64.97 232.21,67.97 232.21,67.97 232.21,68.24 236.82,72.85 236.82,127.83 237.63,128.65 237.63,153.75 237.84,153.96 237.84,159.4 v1(238.15,159.72) 238.15,167.13 235.6,169.68 235.6,173.06 246.66,184.11 246.66,216.02 245.76,216.92 226.06,216.92 224.84,218.14 224.84,236.07 224.22,236.69 224.22,243.47 v1(226.67,245.92)
D3: length 435
  Top w0.25: U603.6 v1(121.06,55.35) ; v1(226.57,243.38) U300.30 ; U899.11 174.61,19.7 178.93,19.7 180.78,17.85 U801.14 ; v1(153.87,37.85) 155.65,36.07 v1(171.96,36.07) ; CN600.81 127.39,32.66 137.79,32.66 RNX1.6 ; v1(252.17,158.09) 251.84,158.42 U105.5 248.72,158.29 v1(240.89,158.29) ; U106.9 262.1,153.34 v1(260.76,154.69) ; v1(186.79,54.56) 226.32,54.56 227.44,55.68 228.26,55.68 230.02,57.45 v1(230.02,58.01)
  Bottom w0.25: U899.11 172.07,24.49 172.07,30.62 170.94,31.75 170.94,33.15 172.01,34.21 U100.2 ; CN600.81 122.97,33.96 122.97,54.45 122.07,55.35 v1(121.06,55.35) ; 240.49,152.86 240.49,157.89 v1(240.89,158.29) 240.89,165.29 247.56,171.95 247.56,214.84 ; 240.49,152.86 240.49,136.24 239.43,135.19 239.43,127.8 238.64,127.01 238.64,72.13 234.01,67.5 234.01,62 v1(230.02,58.01) ; 240.49,152.86 240.49,152.32 ; 247.56,214.84 247.56,216.4 246.14,217.82 226.46,217.82 225.74,218.53 225.74,242.71 226.42,243.38 v1(226.57,243.38) ; 247.56,214.84 247.56,215.44 ; RNX1.6 140.76,35.63 151.66,35.63 v1(153.87,37.85) 153.84,37.88 ; 181.2,34.34 181.91,35.05 ; 181.91,35.05 187.07,40.2 187.07,54.28 v1(186.79,54.56) ; 181.91,35.05 181.08,34.21 U100.2 ; U100.2 173.81,34.21 v1(171.96,36.07) ; v1(252.17,158.09) 257.35,158.09 v1(260.76,154.69)
D4: length 418.5
  Top w0.25: U603.4 118.2,52.81 115.55,50.15 115.55,48.95 ; 123.07,38.13 123.07,40.07 115.55,47.59 115.55,48.95 ; 123.07,38.13 123.07,32.96 124.38,31.64 124.38,30.01 CN600.83 131.89,22.5 RNX1.10 136.67,23.63 136.67,25.58 137.54,26.46 141.76,26.46 148.1,32.8 151.72,32.8 152.85,31.67 U100.1 ; 123.07,38.13 123.07,38.31 ; v1(250.72,157.15) U105.6 248.82,157.18 v1(241.55,157.18) ; v1(188.37,53.44) 188.66,53.14 226.56,53.14 U500.23 ; 115.55,48.95 115.55,48.55 ; v1(226.87,240.84) U300.29 ; U106.12 274.58,153.37 v1(271.83,153.37)
  Bottom w0.25: U100.1 183.25,31.67 188.37,36.79 v1(188.37,53.44) ; 228.04,54.56 234.46,60.98 234.46,67.31 239.09,71.95 239.09,126.83 239.88,127.62 239.88,135 240.94,136.05 240.94,156.56 v1(241.55,157.18) 241.95,157.58 241.95,165.71 248.01,171.76 248.01,214.99 248.01,216.58 246.32,218.27 226.64,218.27 226.19,218.72 226.19,240.31 226.72,240.84 v1(226.87,240.84) ; v1(250.72,157.15) 250.72,156.41 253.77,153.37 v1(271.83,153.37)
D5: length 414.5
  Top w0.25: v1(189.28,58.22) 189.29,58.22 226.56,58.22 U500.25 ; v1(271.68,157.18) 274.47,157.18 ; v1(252.32,155.88) U105.7 248.82,155.85 v1(238.86,155.85) ; CN600.86 127.39,29.54 126,29.54 124.85,30.69 124.85,31.81 123.52,33.14 123.52,40.26 116,47.78 116,49.73 116.54,50.27 U603.2 ; RNX1.9 142.01,25.04 148.64,31.67 U100.64 152.93,29.92 v1(180.04,29.92) ; v1(224.94,237.95) 231.04,237.95 U300.28
  Bottom w0.25: 239.26,166.97 239.26,168.55 ; 239.26,166.97 239.26,156.25 v1(238.86,155.85) ; 239.26,166.97 239.26,170.8 238.14,171.91 238.14,173.53 247.11,182.49 247.11,216.21 245.95,217.37 226.27,217.37 225.29,218.35 225.29,237.6 v1(224.94,237.95) ; v1(238.86,155.85) 238.3,155.3 238.3,153.79 238.08,153.57 238.08,128.46 237.29,127.67 237.29,127.06 237.29,127.05 237.27,72.67 232.66,68.06 232.66,64.26 228.04,59.64 ; v1(238.86,155.85) 238.88,155.87 ; v1(180.04,29.92) 182.13,29.92 183.42,31.21 ; v1(271.68,157.18) 268.46,153.96 254.24,153.96 v1(252.32,155.88) ; RNX1.9 136.82,26.02 CN600.86 ; v1(189.28,58.22) 189.28,49.02 188.82,48.56 188.82,36.61 183.42,31.21 ; 183.42,31.21 182.76,30.55
